# Altium PCB SAMW25_Xplained_Pro.PcbDoc (part 3 of 9) (continued)
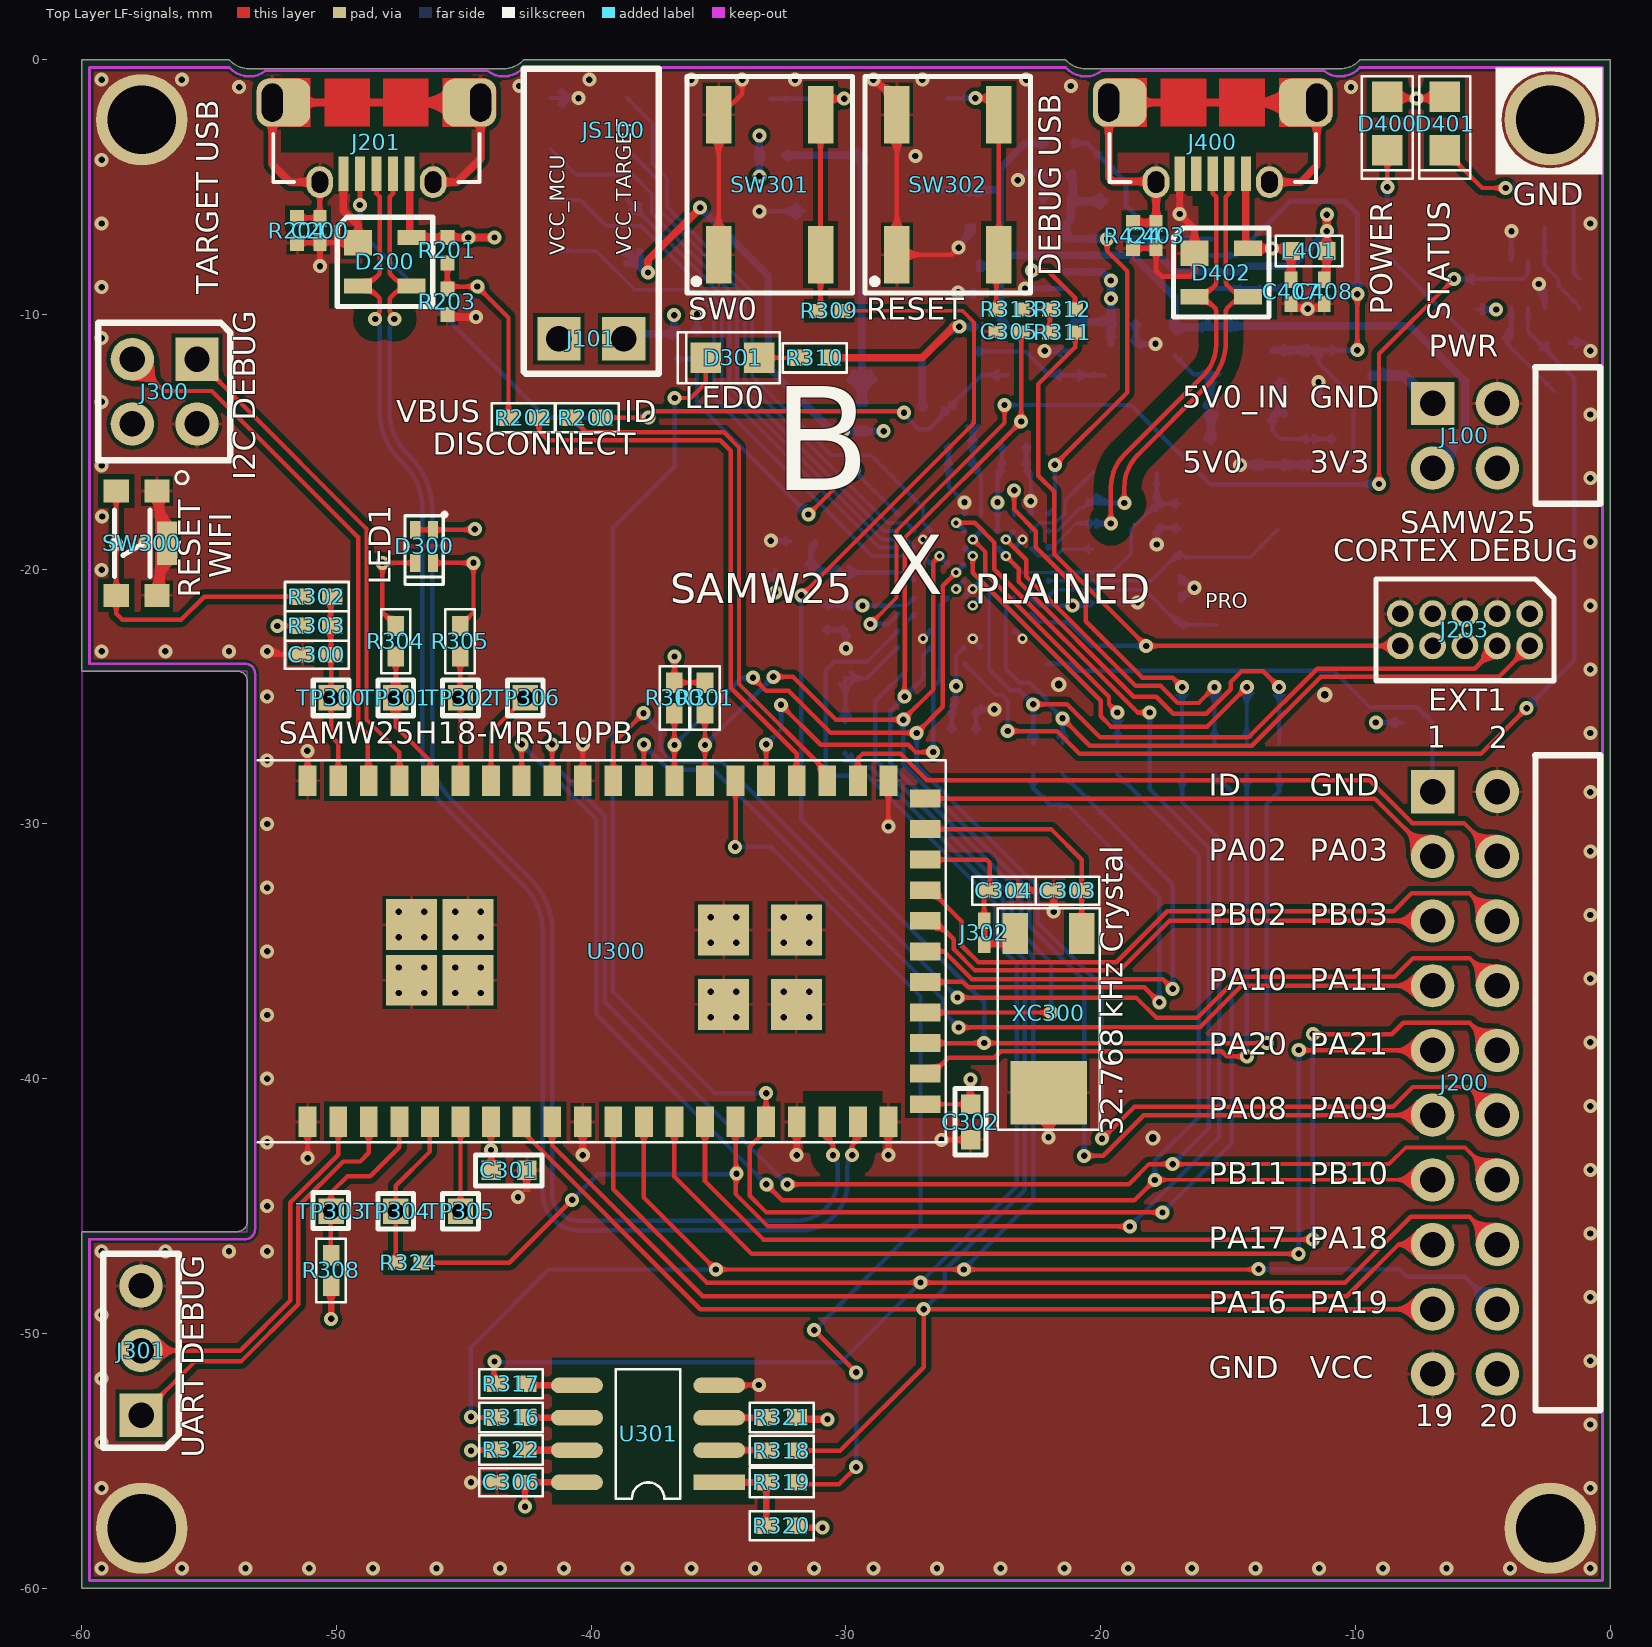
[diagram p0: Top Layer LF-signals view]
## Nets (pads, with @x,y where several pads share a name; then routed paths per layer and width w, separated by ;. In a path a pad name is that pad's centre, name@x,y a point inside that pad or via, vN(x,y) a via of type N, cw(c..) or ccw(c..) an arc to the next point about the centre after c; other vN are vias at no path point) (continued)
cw(c-28.995,-1.118) -28.669,-1.031 ; v1@-28.928,-0.787 cw(c-28.995,-1.118) -28.669,-1.031 ; v1@-28.925,-0.962 cw(c-28.925,-1.415) -28.605,-1.095 ; v1@-28.925,-0.962 cw(c-28.925,-1.415) -28.605,-1.095 ; v1@-28.925,-0.962 cw(c-28.925,-1.415) -28.605,-1.095 ; v1(-28.925,-0.775) ccw(c-28.102,0.048) SW302.2@-28.027,-1.113 ; v1(-28.925,-0.775) ccw(c-28.102,0.048) SW302.2@-28.027,-1.113 ; v1(-28.925,-0.775) ccw(c-28.102,0.048) SW302.2@-28.027,-1.113 ; v1(-28.925,-0.775) -28,-1.7 SW302.2@-28,-2.15 SW302.1@-28,-7.65 ; v1@-28.913,-0.772 ccw(c-28.582,-0.705) -28.669,-1.031 ; v1@-28.913,-0.772 ccw(c-28.582,-0.705) -28.669,-1.031 ; v1@-28.913,-0.772 ccw(c-28.582,-0.705) -28.669,-1.031 ; v1@-28.876,-0.956 cw(c-28.759,-1.393) -28.533,-1.001 ; v1@-28.876,-0.956 cw(c-28.759,-1.393) -28.533,-1.001 ; v1@-28.876,-0.956 cw(c-28.759,-1.393) -28.533,-1.001 ; v1@-28.876,-0.956 cw(c-28.759,-1.393) -28.533,-1.001 ; v1@-28.876,-0.956 cw(c-28.759,-1.393) -28.533,-1.001 ; v1@-28.876,-0.956 cw(c-28.759,-1.393) -28.533,-1.001 ; v1@-28.744,-0.726 ccw(c-28.307,-0.609) -28.533,-1.001 ; v1@-28.744,-0.726 ccw(c-28.307,-0.609) -28.533,-1.001 ; v1@-28.744,-0.726 ccw(c-28.307,-0.609) -28.533,-1.001 ; v1@-28.744,-0.726 ccw(c-28.307,-0.609) -28.533,-1.001 ; v1@-28.744,-0.726 ccw(c-28.307,-0.609) -28.533,-1.001 ; v1@-28.744,-0.726 ccw(c-28.307,-0.609) -28.533,-1.001 ; v1@-28.738,-0.775 ccw(c-28.285,-0.775) -28.605,-1.095 ; v1@-28.738,-0.775 ccw(c-28.285,-0.775) -28.605,-1.095 ; v1@-28.738,-0.775 ccw(c-28.285,-0.775) -28.605,-1.095 ; -28.652,-1.048 ccw(c-28.069,-0.466) SW302.2@-28.015,-1.288 ; -28.652,-1.048 ccw(c-28.069,-0.466) SW302.2@-28.015,-1.288 ; -28.652,-1.048 ccw(c-28.069,-0.466) SW302.2@-28.015,-1.288 ; -28.58,-1.12 cw(c-28.986,-1.525) SW302.2@-28.412,-1.525 ; -28.58,-1.12 cw(c-28.986,-1.525) SW302.2@-28.412,-1.525 ; -28.58,-1.12 cw(c-28.986,-1.525) SW302.2@-28.412,-1.525 ; U300.32@-28.521,-28.732 cw(c-28.969,-29.18) -28.335,-29.18 ; U300.32@-28.521,-28.732 cw(c-28.969,-29.18) -28.335,-29.18 ; U300.32@-28.521,-28.732 cw(c-28.969,-29.18) -28.335,-29.18 ; -28.499,-1.019 cw(c-28.667,-1.863) SW302.2@-27.9,-1.474 ; -28.499,-1.019 cw(c-28.667,-1.863) SW302.2@-27.9,-1.474 ; -28.499,-1.019 cw(c-28.667,-1.863) SW302.2@-27.9,-1.474 ; v1@-28.468,-29.967 ccw(c-28.788,-29.647) -28.335,-29.647 ; v1@-28.468,-29.967 ccw(c-28.788,-29.647) -28.335,-29.647 ; v1@-28.468,-29.967 ccw(c-28.788,-29.647) -28.335,-29.647 ; -28.335,-29.647 ccw(c-27.883,-29.647) v1@-28.203,-29.967 ; -28.335,-29.647 ccw(c-27.883,-29.647) v1@-28.203,-29.967 ; -28.335,-29.647 ccw(c-27.883,-29.647) v1@-28.203,-29.967 ; -28.335,-29.18 cw(c-27.701,-29.18) U300.32@-28.15,-28.732 ; -28.335,-29.18 cw(c-27.701,-29.18) U300.32@-28.15,-28.732 ; -28.335,-29.18 cw(c-27.701,-29.18) U300.32@-28.15,-28.732 ; SW302.2@-28.292,-3.067 cw(c-28.996,-3.771) -28,-3.771 ; SW302.2@-28.292,-3.067 cw(c-28.996,-3.771) -28,-3.771 ; SW302.2@-28.292,-3.067 cw(c-28.996,-3.771) -28,-3.771 ; SW302.2@-28.168,-2.943 cw(c-28.573,-3.348) -28,-3.348 ; SW302.2@-28.168,-2.943 cw(c-28.573,-3.348) -28,-3.348 ; SW302.2@-28.168,-2.943 cw(c-28.573,-3.348) -28,-3.348 ; SW302.1@-28,-7.65 -25.85,-7.65 ; -28,-3.771 cw(c-27.004,-3.771) SW302.2@-27.708,-3.067 ; -28,-3.771 cw(c-27.004,-3.771) SW302.2@-27.708,-3.067 ; -28,-3.771 cw(c-27.004,-3.771) SW302.2@-27.708,-3.067 ; -28,-3.348 cw(c-27.427,-3.348) SW302.2@-27.832,-2.943 ; -28,-3.348 cw(c-27.427,-3.348) SW302.2@-27.832,-2.943 ; -28,-3.348 cw(c-27.427,-3.348) SW302.2@-27.832,-2.943 ; v1@-26.117,-42.533 cw(c-25.794,-42.856) -25.794,-42.399 ; v1@-26.117,-42.533 cw(c-25.794,-42.856) -25.794,-42.399 ; v1@-26.117,-42.533 cw(c-25.794,-42.856) -25.794,-42.399 ; v1@-26.117,-42.267 ccw(c-25.801,-41.951) -25.801,-42.399 ; v1@-26.117,-42.267 ccw(c-25.801,-41.951) -25.801,-42.399 ; v1@-26.117,-42.267 ccw(c-25.801,-41.951) -25.801,-42.399 ; -25.819,-42.399 cw(c-25.819,-43.107) C302.2@-25.318,-42.606 ; -25.819,-42.399 ccw(c-25.819,-41.69) C302.2@-25.318,-42.191 ; -25.819,-42.399 ccw(c-25.819,-41.69) C302.2@-25.318,-42.191 ; -25.819,-42.399 cw(c-25.819,-43.107) C302.2@-25.318,-42.606 ; -25.819,-42.399 ccw(c-25.819,-41.69) C302.2@-25.318,-42.191 ; -25.819,-42.399 cw(c-25.819,-43.107) C302.2@-25.318,-42.606 ; XC300.3@-22.495,-41.622 cw(c-22.778,-42.296) v1@-22.046,-42.296 ; XC300.3@-22.495,-41.622 cw(c-22.778,-42.296) v1@-22.046,-42.296 ; XC300.3@-22.495,-41.622 cw(c-22.778,-42.296) v1@-22.046,-42.296 ; XC300.3@-22.428,-41.46 cw(c-22.668,-42.033) v1@-22.046,-42.033 ; XC300.3@-22.428,-41.46 cw(c-22.668,-42.033) v1@-22.046,-42.033 ; XC300.3@-22.428,-41.46 cw(c-22.668,-42.033) v1@-22.046,-42.033 ; v1@-22.195,-42.181 ccw(c-22.406,-42.008) -22.143,-41.938 ; v1@-22.195,-42.181 ccw(c-22.406,-42.008) -22.143,-41.938 ; v1@-22.195,-42.181 ccw(c-22.406,-42.008) -22.143,-41.938 ; v1@-22.195,-42.181 ccw(c-22.406,-42.008) -22.143,-41.938 ; v1@-22.195,-42.181 ccw(c-22.406,-42.008) -22.143,-41.938 ; v1@-22.195,-42.181 ccw(c-22.406,-42.008) -22.143,-41.938 ; v1@-22.183,-42.168 ccw(c-22.423,-41.931) -22.097,-41.844 ; v1@-22.183,-42.167 ccw(c-22.511,-41.839) -22.046,-41.839 ; v1@-22.183,-42.168 ccw(c-22.423,-41.931) -22.097,-41.844 ; v1@-22.183,-42.168 ccw(c-22.423,-41.931) -22.097,-41.844 ; v1@-22.183,-42.167 ccw(c-22.511,-41.839) -22.046,-41.839 ; v1@-22.183,-42.168 ccw(c-22.423,-41.931) -22.097,-41.844 ; v1@-22.183,-42.167 ccw(c-22.511,-41.839) -22.046,-41.839 ; v1@-22.183,-42.168 ccw(c-22.423,-41.931) -22.097,-41.844 ; v1@-22.183,-42.168 ccw(c-22.423,-41.931) -22.097,-41.844 ; v1@-22.144,-42.138 ccw(c-22.258,-41.94) -22.037,-41.999 ; v1@-22.144,-42.138 ccw(c-22.258,-41.94) -22.037,-41.999 ; v1@-22.144,-42.138 ccw(c-22.258,-41.94) -22.037,-41.999 ; v1@-22.144,-42.138 ccw(c-22.258,-41.94) -22.037,-41.999 ; v1@-22.144,-42.138 ccw(c-22.258,-41.94) -22.037,-41.999 ; v1@-22.144,-42.138 ccw(c-22.258,-41.94) -22.037,-41.999 ; -22.142,-41.938 ccw(c-21.867,-41.864) v1@-21.977,-42.127 ; -22.142,-41.938 ccw(c-21.867,-41.864) v1@-21.977,-42.127 ; -22.142,-41.938 ccw(c-21.867,-41.864) v1@-21.977,-42.127 ; -22.142,-41.938 ccw(c-21.867,-41.864) v1@-21.977,-42.127 ; -22.142,-41.938 ccw(c-21.867,-41.864) v1@-21.977,-42.127 ; -22.142,-41.938 ccw(c-21.867,-41.864) v1@-21.977,-42.127 ; v1@-22.123,-42.127 ccw(c-22.24,-41.848) -21.947,-41.926 ; v1@-22.123,-42.127 ccw(c-22.24,-41.848) -21.947,-41.926 ; v1@-22.123,-42.127 ccw(c-22.24,-41.848) -21.947,-41.926 ; v1@-22.123,-42.127 ccw(c-22.24,-41.848) -21.947,-41.926 ; v1@-22.123,-42.127 ccw(c-22.24,-41.848) -21.947,-41.926 ; v1@-22.123,-42.127 ccw(c-22.24,-41.848) -21.947,-41.926 ; -22.052,-42.013 ccw(c-21.854,-41.96) v1@-21.956,-42.138 ; -22.052,-42.013 ccw(c-21.854,-41.96) v1@-21.956,-42.138 ; -22.052,-42.013 ccw(c-21.854,-41.96) v1@-21.956,-42.138 ; -22.052,-42.013 ccw(c-21.854,-41.96) v1@-21.956,-42.138 ; -22.052,-42.013 ccw(c-21.854,-41.96) v1@-21.956,-42.138 ; -22.052,-42.013 ccw(c-21.854,-41.96) v1@-21.956,-42.138 ; v1@-22.046,-42.296 cw(c-21.315,-42.296) XC300.3@-21.597,-41.622 ; v1@-22.046,-42.296 cw(c-21.315,-42.296) XC300.3@-21.597,-41.622 ; v1@-22.046,-42.296 cw(c-21.315,-42.296) XC300.3@-21.597,-41.622 ; v1@-22.046,-42.033 cw(c-21.425,-42.033) XC300.3@-21.665,-41.46 ; v1@-22.046,-42.033 cw(c-21.425,-42.033) XC300.3@-21.665,-41.46 ; v1@-22.046,-42.033 cw(c-21.425,-42.033) XC300.3@-21.665,-41.46 ; -22.046,-41.856 ccw(c-21.606,-41.856) v1@-21.917,-42.167 ; -22.046,-41.856 ccw(c-21.606,-41.856) v1@-21.917,-42.167 ; -22.046,-41.856 ccw(c-21.606,-41.856) v1@-21.917,-42.167 ; -21.993,-41.832 ccw(c-21.636,-41.928) v1@-21.911,-42.175 ; -21.993,-41.832 ccw(c-21.636,-41.928) v1@-21.911,-42.175 ; -21.993,-41.832 ccw(c-21.636,-41.928) v1@-21.911,-42.175 ; -21.993,-41.832 ccw(c-21.636,-41.928) v1@-21.911,-42.175 ; -21.993,-41.832 ccw(c-21.636,-41.928) v1@-21.911,-42.175 ; -21.993,-41.832 ccw(c-21.636,-41.928) v1@-21.911,-42.175 ; -21.947,-41.926 ccw(c-21.647,-42.007) v1@-21.898,-42.19 ; -21.947,-41.926 ccw(c-21.647,-42.007) v1@-21.898,-42.19 ; -21.947,-41.926 ccw(c-21.647,-42.007) v1@-21.898,-42.19 ; -21.947,-41.926 ccw(c-21.647,-42.007) v1@-21.898,-42.19 ; -21.947,-41.926 ccw(c-21.647,-42.007) v1@-21.898,-42.19 ; -21.947,-41.926 ccw(c-21.647,-42.007) v1@-21.898,-42.19
  Top Layer LF-signals w0.2: R204.1@-51.55,-7.203 -51.525,-7.178 C200.1@-50.65,-7.178 ; v2(-50.65,-8.1) C200.1@-50.65,-7.178 ; D200.1@-49.15,-7.178 C200.1@-50.65,-7.178 ; R424.1@-18.725,-7.4 C403.1@-17.85,-7.4 ; C403.1@-17.825,-7.375 -17.825,-8.275 -17.6,-8.5 -16.475,-8.5 -16.316,-8.341 ; D402.1@-16.316,-7.6 -16.316,-8.341 ; C407.2@-12.525,-9.775 v1(-11.875,-9.775) ; C407.2@-12.433,-9.769 cw(c-12.318,-9.918) -12.185,-9.785 ; -11.565,-9.785 cw(c-11.432,-9.918) C408.2@-11.317,-9.769 ; C408.2@-11.225,-9.775 v1(-11.875,-9.775) ; R204.1@-51.426,-7.302 cw(c-51.128,-7.6) -51.128,-7.178 ; R204.1@-51.426,-7.302 cw(c-51.128,-7.6) -51.128,-7.178 ; R204.1@-51.426,-7.302 cw(c-51.128,-7.6) -51.128,-7.178 ; R204.1@-51.426,-7.054 ccw(c-51.128,-6.756) -51.128,-7.178 ; R204.1@-51.426,-7.054 ccw(c-51.128,-6.756) -51.128,-7.178 ; R204.1@-51.426,-7.054 ccw(c-51.128,-6.756) -51.128,-7.178 ; -51.012,-7.178 cw(c-51.012,-7.54) C200.1@-50.756,-7.284 ; -51.012,-7.178 ccw(c-51.012,-6.816) C200.1@-50.756,-7.072 ; -51.012,-7.178 ccw(c-51.012,-6.816) C200.1@-50.756,-7.072 ; -51.012,-7.178 cw(c-51.012,-7.54) C200.1@-50.756,-7.284 ; -51.012,-7.178 ccw(c-51.012,-6.816) C200.1@-50.756,-7.072 ; -51.012,-7.178 cw(c-51.012,-7.54) C200.1@-50.756,-7.284 ; v2@-50.774,-7.976 ccw(c-51.072,-7.678) -50.65,-7.678 ; v2@-50.774,-7.976 ccw(c-51.072,-7.678) -50.65,-7.678 ; v2@-50.774,-7.976 ccw(c-51.072,-7.678) -50.65,-7.678 ; C200.1@-50.756,-7.359 cw(c-51.012,-7.615) -50.65,-7.615 ; C200.1@-50.756,-7.359 cw(c-51.012,-7.615) -50.65,-7.615 ; C200.1@-50.756,-7.359 cw(c-51.012,-7.615) -50.65,-7.615 ; -50.65,-7.678 ccw(c-50.228,-7.678) v2@-50.526,-7.976 ; -50.65,-7.678 ccw(c-50.228,-7.678) v2@-50.526,-7.976 ; -50.65,-7.678 ccw(c-50.228,-7.678) v2@-50.526,-7.976 ; -50.65,-7.615 cw(c-50.288,-7.615) C200.1@-50.544,-7.359 ; -50.65,-7.615 cw(c-50.288,-7.615) C200.1@-50.544,-7.359 ; -50.65,-7.615 cw(c-50.288,-7.615) C200.1@-50.544,-7.359 ; C200.1@-50.544,-7.284 cw(c-50.288,-7.54) -50.288,-7.178 ; C200.1@-50.544,-7.284 cw(c-50.288,-7.54) -50.288,-7.178 ; C200.1@-50.544,-7.284 cw(c-50.288,-7.54) -50.288,-7.178 ; C200.1@-50.544,-7.072 ccw(c-50.288,-6.816) -50.288,-7.178 ; C200.1@-50.544,-7.072 ccw(c-50.288,-6.816) -50.288,-7.178 ; C200.1@-50.544,-7.072 ccw(c-50.288,-6.816) -50.288,-7.178 ; -50.166,-7.178 cw(c-50.166,-8.144) D200.1@-49.483,-7.461 ; -50.166,-7.178 ccw(c-50.166,-6.212) D200.1@-49.483,-6.895 ; -50.166,-7.178 ccw(c-50.166,-6.212) D200.1@-49.483,-6.895 ; -50.166,-7.178 cw(c-50.166,-8.144) D200.1@-49.483,-7.461 ; -50.166,-7.178 ccw(c-50.166,-6.212) D200.1@-49.483,-6.895 ; -50.166,-7.178 cw(c-50.166,-8.144) D200.1@-49.483,-7.461 ; R424.1@-18.601,-7.524 cw(c-18.303,-7.822) -18.303,-7.4 ; R424.1@-18.601,-7.524 cw(c-18.303,-7.822) -18.303,-7.4 ; R424.1@-18.601,-7.524 cw(c-18.303,-7.822) -18.303,-7.4 ; R424.1@-18.601,-7.276 ccw(c-18.303,-6.978) -18.303,-7.4 ; R424.1@-18.601,-7.276 ccw(c-18.303,-6.978) -18.303,-7.4 ; R424.1@-18.601,-7.276 ccw(c-18.303,-6.978) -18.303,-7.4 ; -18.247,-7.4 ccw(c-18.247,-6.953) C403.1@-17.931,-7.269 ; -18.247,-7.4 ccw(c-18.247,-6.953) C403.1@-17.931,-7.269 ; -18.247,-7.4 ccw(c-18.247,-6.953) C403.1@-17.931,-7.269 ; -18.127,-7.4 cw(c-18.127,-7.677) C403.1@-17.931,-7.481 ; -18.127,-7.4 cw(c-18.127,-7.677) C403.1@-17.931,-7.481 ; -18.127,-7.4 cw(c-18.127,-7.677) C403.1@-17.931,-7.481 ; C403.1@-17.931,-7.556 cw(c-18.187,-7.812) -17.825,-7.812 ; C403.1@-17.931,-7.556 cw(c-18.187,-7.812) -17.825,-7.812 ; C403.1@-17.931,-7.556 cw(c-18.187,-7.812) -17.825,-7.812 ; -17.825,-7.812 cw(c-17.463,-7.812) C403.1@-17.719,-7.556 ; -17.825,-7.812 cw(c-17.463,-7.812) C403.1@-17.719,-7.556 ; -17.825,-7.812 cw(c-17.463,-7.812) C403.1@-17.719,-7.556 ; D402.1@-16.535,-7.934 cw(c-16.802,-8.341) -16.316,-8.341 ; D402.1@-16.535,-7.934 cw(c-16.802,-8.341) -16.316,-8.341 ; D402.1@-16.535,-7.934 cw(c-16.802,-8.341) -16.316,-8.341 ; -16.316,-8.341 cw(c-15.83,-8.341) D402.1@-16.097,-7.934 ; -16.316,-8.341 cw(c-15.83,-8.341) D402.1@-16.097,-7.934 ; -16.316,-8.341 cw(c-15.83,-8.341) D402.1@-16.097,-7.934 ; C407.2@-12.417,-9.546 ccw(c-11.875,-9.019) v1(-11.875,-9.775) ; C407.2@-12.417,-9.546 ccw(c-11.875,-9.019) v1(-11.875,-9.775) ; C407.2@-12.417,-9.546 ccw(c-11.875,-9.019) v1(-11.875,-9.775) ; C407.2@-12.412,-9.748 cw(c-12.255,-9.884) -12.148,-9.706 ; C407.2@-12.412,-9.748 cw(c-12.255,-9.884) -12.148,-9.706 ; C407.2@-12.412,-9.748 cw(c-12.255,-9.884) -12.148,-9.706 ; C407.2@-12.395,-9.575 ccw(c-11.899,-9.288) v1@-12.047,-9.842 ; C407.2@-12.395,-9.575 ccw(c-11.899,-9.288) v1@-12.047,-9.842 ; C407.2@-12.395,-9.575 ccw(c-11.899,-9.288) v1@-12.047,-9.842 ; C407.2@-12.297,-9.775 cw(c-12.297,-10.197) v1@-11.999,-9.899 ; C407.2@-12.297,-9.775 ccw(c-12.297,-9.353) v1@-11.999,-9.651 ; C407.2@-12.297,-9.775 ccw(c-12.297,-9.353) v1@-11.999,-9.651 ; C407.2@-12.297,-9.775 cw(c-12.297,-10.197) v1@-11.999,-9.899 ; C407.2@-12.297,-9.775 ccw(c-12.297,-9.353) v1@-11.999,-9.651 ; C407.2@-12.297,-9.775 cw(c-12.297,-10.197) v1@-11.999,-9.899 ; -12.253,-9.674 cw(c-12.343,-10.012) v1@-12.031,-9.854 ; -12.253,-9.674 ccw(c-12.162,-9.336) v1@-11.971,-9.629 ; -12.253,-9.674 cw(c-12.343,-10.012) v1@-12.031,-9.854 ; -12.253,-9.674 ccw(c-12.162,-9.336) v1@-11.971,-9.629 ; -12.253,-9.674 cw(c-12.343,-10.012) v1@-12.031,-9.854 ; -12.253,-9.674 ccw(c-12.162,-9.336) v1@-11.971,-9.629 ; -12.253,-9.674 ccw(c-12.162,-9.336) v1@-11.971,-9.629 ; -12.253,-9.674 cw(c-12.343,-10.012) v1@-12.031,-9.854 ; -12.253,-9.674 ccw(c-12.162,-9.336) v1@-11.971,-9.629 ; -12.253,-9.674 cw(c-12.343,-10.012) v1@-12.031,-9.854 ; -12.253,-9.674 ccw(c-12.162,-9.336) v1@-11.971,-9.629 ; -12.253,-9.674 cw(c-12.343,-10.012) v1@-12.031,-9.854 ; -12.238,-9.681 cw(c-12.329,-10) v1@-12.032,-9.853 ; -12.238,-9.681 ccw(c-12.156,-9.392) v1@-11.979,-9.634 ; -12.238,-9.681 cw(c-12.329,-10) v1@-12.032,-9.853 ; -12.238,-9.681 ccw(c-12.156,-9.392) v1@-11.979,-9.634 ; -12.238,-9.681 cw(c-12.329,-10) v1@-12.032,-9.853 ; -12.238,-9.681 ccw(c-12.156,-9.392) v1@-11.979,-9.634 ; -12.238,-9.681 ccw(c-12.156,-9.392) v1@-11.979,-9.634 ; -12.238,-9.681 cw(c-12.329,-10) v1@-12.032,-9.853 ; -12.232,-9.735 ccw(c-12.155,-9.602) v1@-12.024,-9.683 ; -12.232,-9.735 ccw(c-12.155,-9.602) v1@-12.024,-9.683 ; -12.232,-9.735 ccw(c-12.155,-9.602) v1@-12.024,-9.683 ; -12.232,-9.735 ccw(c-12.155,-9.602) v1@-12.024,-9.683 ; v1(-11.875,-9.775) ccw(c-11.875,-9.019) C408.2@-11.333,-9.546 ; v1(-11.875,-9.775) ccw(c-11.875,-9.019) C408.2@-11.333,-9.546 ; v1(-11.875,-9.775) ccw(c-11.875,-9.019) C408.2@-11.333,-9.546 ; v1@-11.779,-9.629 ccw(c-11.588,-9.336) -11.497,-9.674 ; v1@-11.779,-9.629 ccw(c-11.588,-9.336) -11.497,-9.674 ; v1@-11.779,-9.629 ccw(c-11.588,-9.336) -11.497,-9.674 ; v1@-11.779,-9.629 ccw(c-11.588,-9.336) -11.497,-9.674 ; v1@-11.779,-9.629 ccw(c-11.588,-9.336) -11.497,-9.674 ; v1@-11.779,-9.629 ccw(c-11.588,-9.336) -11.497,-9.674 ; v1@-11.771,-9.634 ccw(c-11.594,-9.392) -11.512,-9.681 ; v1@-11.771,-9.634 ccw(c-11.594,-9.392) -11.512,-9.681 ; v1@-11.771,-9.634 ccw(c-11.594,-9.392) -11.512,-9.681 ; v1@-11.771,-9.634 ccw(c-11.594,-9.392) -11.512,-9.681 ; v1@-11.751,-9.899 cw(c-11.453,-10.197) C408.2@-11.453,-9.775 ; v1@-11.751,-9.899 cw(c-11.453,-10.197) C408.2@-11.453,-9.775 ; v1@-11.751,-9.899 cw(c-11.453,-10.197) C408.2@-11.453,-9.775 ; v1@-11.751,-9.651 ccw(c-11.453,-9.353) C408.2@-11.453,-9.775 ; v1@-11.751,-9.651 ccw(c-11.453,-9.353) C408.2@-11.453,-9.775 ; v1@-11.751,-9.651 ccw(c-11.453,-9.353) C408.2@-11.453,-9.775 ; v1@-11.726,-9.683 ccw(c-11.595,-9.602) -11.518,-9.735 ; v1@-11.726,-9.683 ccw(c-11.595,-9.602) -11.518,-9.735 ; v1@-11.726,-9.683 ccw(c-11.595,-9.602) -11.518,-9.735 ; v1@-11.726,-9.683 ccw(c-11.595,-9.602) -11.518,-9.735 ; v1@-11.719,-9.854 cw(c-11.407,-10.011) -11.497,-9.674 ; v1@-11.719,-9.854 cw(c-11.407,-10.011) -11.497,-9.674 ; v1@-11.719,-9.854 cw(c-11.407,-10.011) -11.497,-9.674 ; v1@-11.719,-9.854 cw(c-11.407,-10.011) -11.497,-9.674 ; v1@-11.719,-9.854 cw(c-11.407,-10.011) -11.497,-9.674 ; v1@-11.719,-9.854 cw(c-11.407,-10.011) -11.497,-9.674 ; v1@-11.718,-9.853 cw(c-11.421,-10) -11.512,-9.681 ; v1@-11.718,-9.853 cw(c-11.421,-10) -11.512,-9.681 ; v1@-11.718,-9.853 cw(c-11.421,-10) -11.512,-9.681 ; v1@-11.718,-9.853 cw(c-11.421,-10) -11.512,-9.681 ; v1@-11.703,-9.842 ccw(c-11.851,-9.288) C408.2@-11.355,-9.575 ; v1@-11.703,-9.842 ccw(c-11.851,-9.288) C408.2@-11.355,-9.575 ; v1@-11.703,-9.842 ccw(c-11.851,-9.288) C408.2@-11.355,-9.575 ; -11.602,-9.706 cw(c-11.495,-9.884) C408.2@-11.338,-9.748 ; -11.602,-9.706 cw(c-11.495,-9.884) C408.2@-11.338,-9.748 ; -11.602,-9.706 cw(c-11.495,-9.884) C408.2@-11.338,-9.748
  Top Layer LF-signals w0.25: v1(-40.335,-43) U300.10@-40.335,-41.696 ; v1(-31.935,-43) U300.17@-31.935,-41.696 ; v1(-28.335,-43) U300.20@-28.335,-41.696 ; C304.2@-23.25,-32.615 C303.2@-21.85,-32.615 v1(-21.85,-33.44) ; J400.5@-16.9,-4.475 v1(-16.9,-6.05) -16.316,-6.634 D402.1@-16.316,-7.6 ; U300.10@-40.494,-42.105 cw(c-40.878,-42.489) -40.335,-42.489 ; U300.10@-40.494,-42.105 cw(c-40.878,-42.489) -40.335,-42.489 ; U300.10@-40.494,-42.105 cw(c-40.878,-42.489) -40.335,-42.489 ; v1@-40.441,-42.894 ccw(c-40.697,-42.638) -40.335,-42.638 ; v1@-40.441,-42.894 ccw(c-40.697,-42.638) -40.335,-42.638 ; v1@-40.441,-42.894 ccw(c-40.697,-42.638) -40.335,-42.638 ; -40.335,-42.638 ccw(c-39.973,-42.638) v1@-40.229,-42.894 ; -40.335,-42.638 ccw(c-39.973,-42.638) v1@-40.229,-42.894 ; -40.335,-42.638 ccw(c-39.973,-42.638) v1@-40.229,-42.894 ; -40.335,-42.489 cw(c-39.792,-42.489) U300.10@-40.176,-42.105 ; -40.335,-42.489 cw(c-39.792,-42.489) U300.10@-40.176,-42.105 ; -40.335,-42.489 cw(c-39.792,-42.489) U300.10@-40.176,-42.105 ; U300.17@-32.094,-42.105 cw(c-32.478,-42.489) -31.935,-42.489 ; U300.17@-32.094,-42.105 cw(c-32.478,-42.489) -31.935,-42.489 ; U300.17@-32.094,-42.105 cw(c-32.478,-42.489) -31.935,-42.489 ; v1@-32.041,-42.894 ccw(c-32.297,-42.638) -31.935,-42.638 ; v1@-32.041,-42.894 ccw(c-32.297,-42.638) -31.935,-42.638 ; v1@-32.041,-42.894 ccw(c-32.297,-42.638) -31.935,-42.638 ; -31.935,-42.638 ccw(c-31.573,-42.638) v1@-31.829,-42.894 ; -31.935,-42.638 ccw(c-31.573,-42.638) v1@-31.829,-42.894 ; -31.935,-42.638 ccw(c-31.573,-42.638) v1@-31.829,-42.894 ; -31.935,-42.489 cw(c-31.392,-42.489) U300.17@-31.776,-42.105 ; -31.935,-42.489 cw(c-31.392,-42.489) U300.17@-31.776,-42.105 ; -31.935,-42.489 cw(c-31.392,-42.489) U300.17@-31.776,-42.105 ; U300.20@-28.494,-42.105 cw(c-28.878,-42.489) -28.335,-42.489 ; U300.20@-28.494,-42.105 cw(c-28.878,-42.489) -28.335,-42.489 ; U300.20@-28.494,-42.105 cw(c-28.878,-42.489) -28.335,-42.489 ; v1@-28.441,-42.894 ccw(c-28.697,-42.638) -28.335,-42.638 ; v1@-28.441,-42.894 ccw(c-28.697,-42.638) -28.335,-42.638 ; v1@-28.441,-42.894 ccw(c-28.697,-42.638) -28.335,-42.638 ; -28.335,-42.638 ccw(c-27.973,-42.638) v1@-28.229,-42.894 ; -28.335,-42.638 ccw(c-27.973,-42.638) v1@-28.229,-42.894 ; -28.335,-42.638 ccw(c-27.973,-42.638) v1@-28.229,-42.894 ; -28.335,-42.489 cw(c-27.792,-42.489) U300.20@-28.176,-42.105 ; -28.335,-42.489 cw(c-27.792,-42.489) U300.20@-28.176,-42.105 ; -28.335,-42.489 cw(c-27.792,-42.489) U300.20@-28.176,-42.105 ; C304.2@-22.976,-32.739 cw(c-22.678,-33.037) -22.678,-32.615 ; C304.2@-22.976,-32.739 cw(c-22.678,-33.037) -22.678,-32.615 ; C304.2@-22.976,-32.739 cw(c-22.678,-33.037) -22.678,-32.615 ; C304.2@-22.976,-32.491 ccw(c-22.678,-32.193) -22.678,-32.615 ; C304.2@-22.976,-32.491 ccw(c-22.678,-32.193) -22.678,-32.615 ; C304.2@-22.976,-32.491 ccw(c-22.678,-32.193) -22.678,-32.615 ; -22.422,-32.615 cw(c-22.422,-33.037) C303.2@-22.124,-32.739 ; -22.422,-32.615 ccw(c-22.422,-32.193) C303.2@-22.124,-32.491 ; -22.422,-32.615 ccw(c-22.422,-32.193) C303.2@-22.124,-32.491 ; -22.422,-32.615 cw(c-22.422,-33.037) C303.2@-22.124,-32.739 ; -22.422,-32.615 ccw(c-22.422,-32.193) C303.2@-22.124,-32.491 ; -22.422,-32.615 cw(c-22.422,-33.037) C303.2@-22.124,-32.739 ; C303.2@-21.974,-32.739 cw(c-22.272,-33.037) -21.85,-33.037 ; C303.2@-21.974,-32.739 cw(c-22.272,-33.037) -21.85,-33.037 ; C303.2@-21.974,-32.739 cw(c-22.272,-33.037) -21.85,-33.037 ; v1@-21.956,-33.334 ccw(c-22.212,-33.078) -21.85,-33.078 ; v1@-21.956,-33.334 ccw(c-22.212,-33.078) -21.85,-33.078 ; v1@-21.956,-33.334 ccw(c-22.212,-33.078) -21.85,-33.078 ; -21.85,-33.078 ccw(c-21.488,-33.078) v1@-21.744,-33.334 ; -21.85,-33.078 ccw(c-21.488,-33.078) v1@-21.744,-33.334 ; -21.85,-33.078 ccw(c-21.488,-33.078) v1@-21.744,-33.334 ; -21.85,-33.037 cw(c-21.428,-33.037) C303.2@-21.726,-32.739 ; -21.85,-33.037 cw(c-21.428,-33.037) C303.2@-21.726,-32.739 ; -21.85,-33.037 cw(c-21.428,-33.037) C303.2@-21.726,-32.739 ; v1@-17.006,-5.944 ccw(c-17.262,-5.688) -16.9,-5.688 ; v1@-17.006,-5.944 ccw(c-17.262,-5.688) -16.9,-5.688 ; v1@-17.006,-5.944 ccw(c-17.262,-5.688) -16.9,-5.688 ; v1@-16.9,-6.2 cw(c-16.9,-6.562) -16.644,-6.306 ; v1@-16.9,-6.2 cw(c-16.9,-6.562) -16.644,-6.306 ; v1@-16.9,-6.2 cw(c-16.9,-6.562) -16.644,-6.306 ; -16.9,-5.688 ccw(c-16.538,-5.688) v1@-16.794,-5.944 ; -16.9,-5.688 ccw(c-16.538,-5.688) v1@-16.794,-5.944 ; -16.9,-5.688 ccw(c-16.538,-5.688) v1@-16.794,-5.944 ; v1@-16.75,-6.05 ccw(c-16.388,-6.05) -16.644,-6.306 ; v1@-16.75,-6.05 ccw(c-16.388,-6.05) -16.644,-6.306 ; v1@-16.75,-6.05 ccw(c-16.388,-6.05) -16.644,-6.306 ; D402.1@-16.581,-7.335 ccw(c-17.221,-6.695) -16.316,-6.695 ; D402.1@-16.581,-7.335 ccw(c-17.221,-6.695) -16.316,-6.695 ; D402.1@-16.581,-7.335 ccw(c-17.221,-6.695) -16.316,-6.695 ; -16.316,-6.695 ccw(c-15.411,-6.695) D402.1@-16.051,-7.335 ; -16.316,-6.695 ccw(c-15.411,-6.695) D402.1@-16.051,-7.335 ; -16.316,-6.695 ccw(c-15.411,-6.695) D402.1@-16.051,-7.335
  Top Layer LF-signals w0.3: J201.5@-49.734,-4.475 -49.734,-5.916 -49.15,-6.5 ; D200.1@-49.15,-7.178 -49.15,-6.5 ; R203.1@-45.65,-10.1 v1(-44.525,-10.1) ; D200.1@-49.353,-6.893 ccw(c-49.632,-6.5) -49.15,-6.5 ; D200.1@-49.353,-6.893 ccw(c-49.632,-6.5) -49.15,-6.5 ; D200.1@-49.353,-6.893 ccw(c-49.632,-6.5) -49.15,-6.5 ; -49.15,-6.5 ccw(c-48.668,-6.5) D200.1@-48.947,-6.893 ; -49.15,-6.5 ccw(c-48.668,-6.5) D200.1@-48.947,-6.893 ; -49.15,-6.5 ccw(c-48.668,-6.5) D200.1@-48.947,-6.893 ; R203.1@-45.562,-9.937 ccw(c-45.167,-9.542) -45.167,-10.1 ; R203.1@-45.562,-9.937 ccw(c-45.167,-9.542) -45.167,-10.1 ; R203.1@-45.562,-9.937 ccw(c-45.167,-9.542) -45.167,-10.1 ; -44.827,-10.1 cw(c-44.827,-10.402) v1@-44.613,-10.188 ; -44.827,-10.1 ccw(c-44.827,-9.798) v1@-44.613,-10.012 ; -44.827,-10.1 ccw(c-44.827,-9.798) v1@-44.613,-10.012 ; -44.827,-10.1 cw(c-44.827,-10.402) v1@-44.613,-10.188 ; -44.827,-10.1 ccw(c-44.827,-9.798) v1@-44.613,-10.012 ; -44.827,-10.1 cw(c-44.827,-10.402) v1@-44.613,-10.188